# Altium PCB Cueing-PCB-Mk2.PcbDoc
Units mm, origin at the board's own origin, x right, y up, seen from the top; angles counter-clockwise.
Board outline 62.87 x 76.45 mm, 4 copper layers (Top Layer, Int1 (GND), Int2 (PWR), Bottom Layer), stack 1.586 mm thick; 109 components, 77 nets, 396 pads, 85 vias.
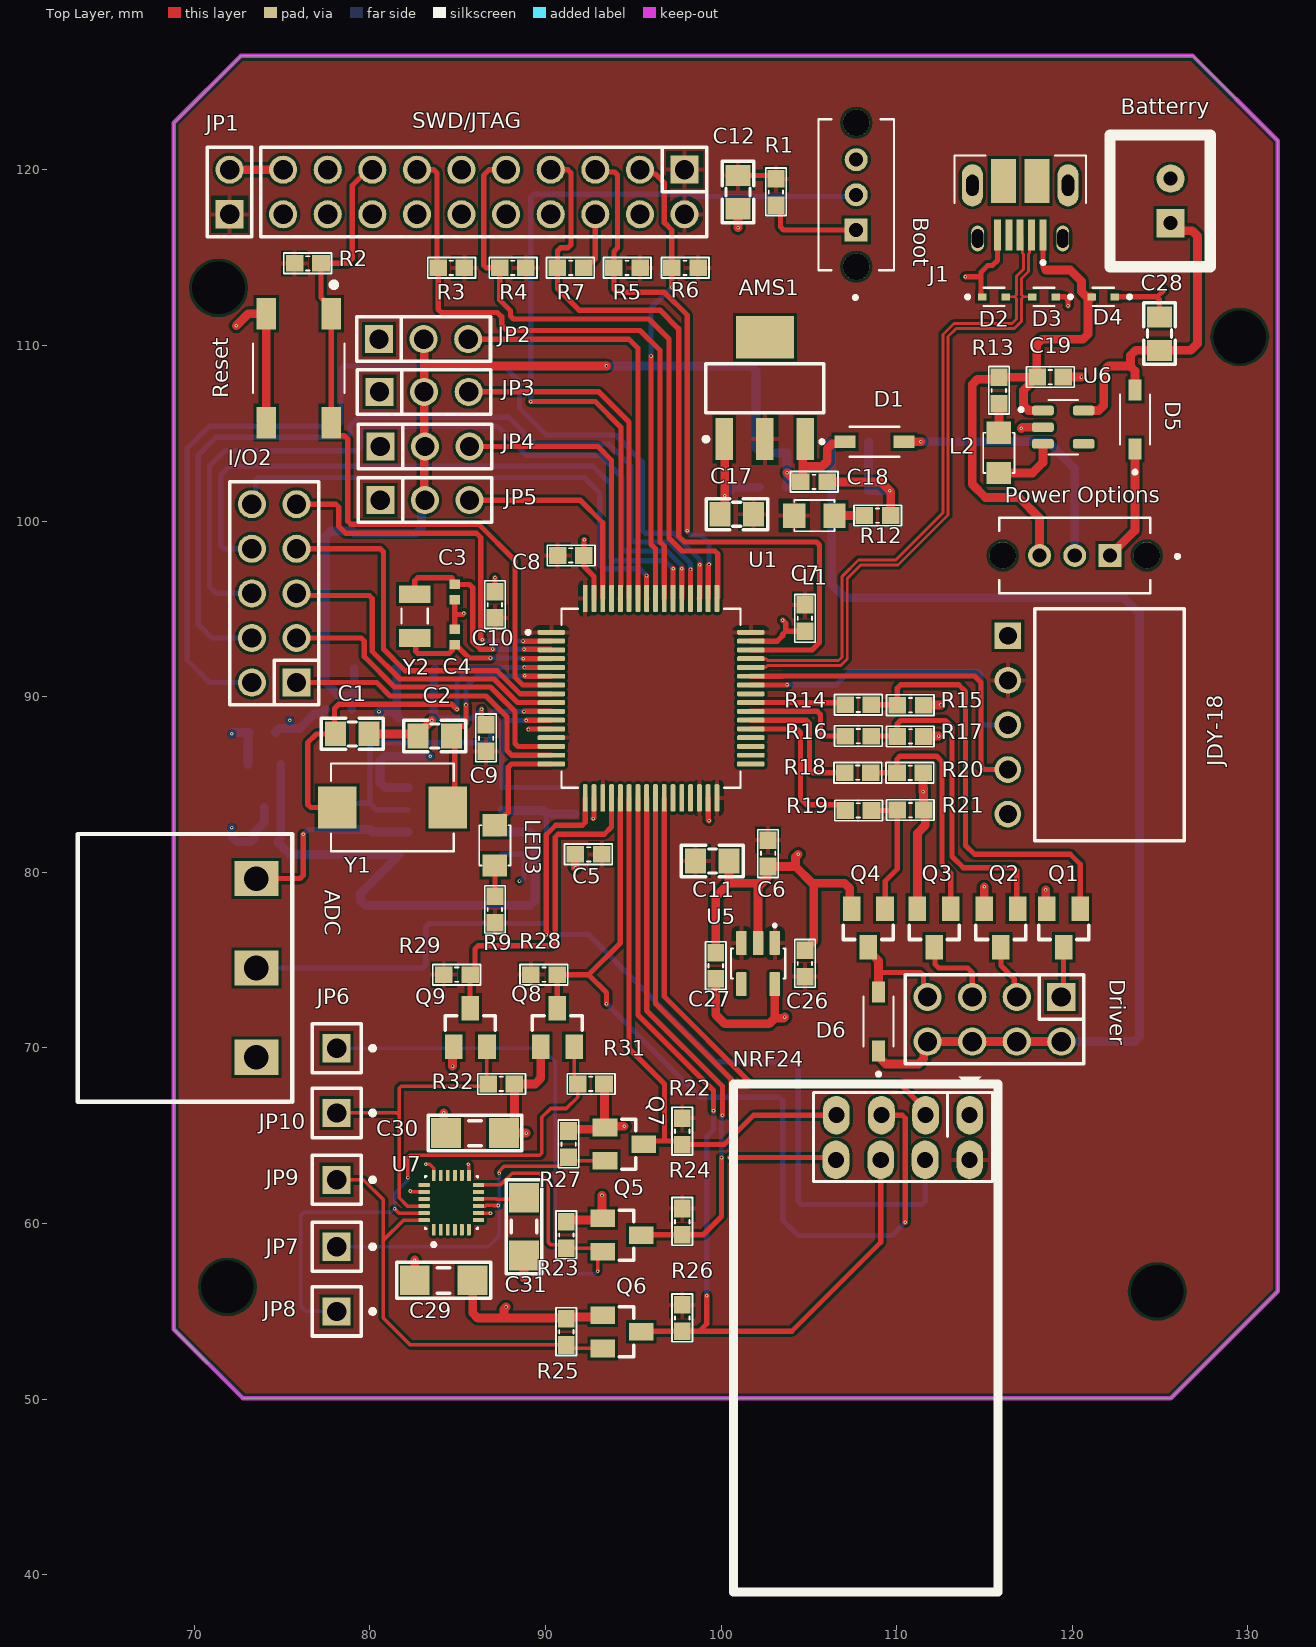
[diagram p0: Top Layer view]
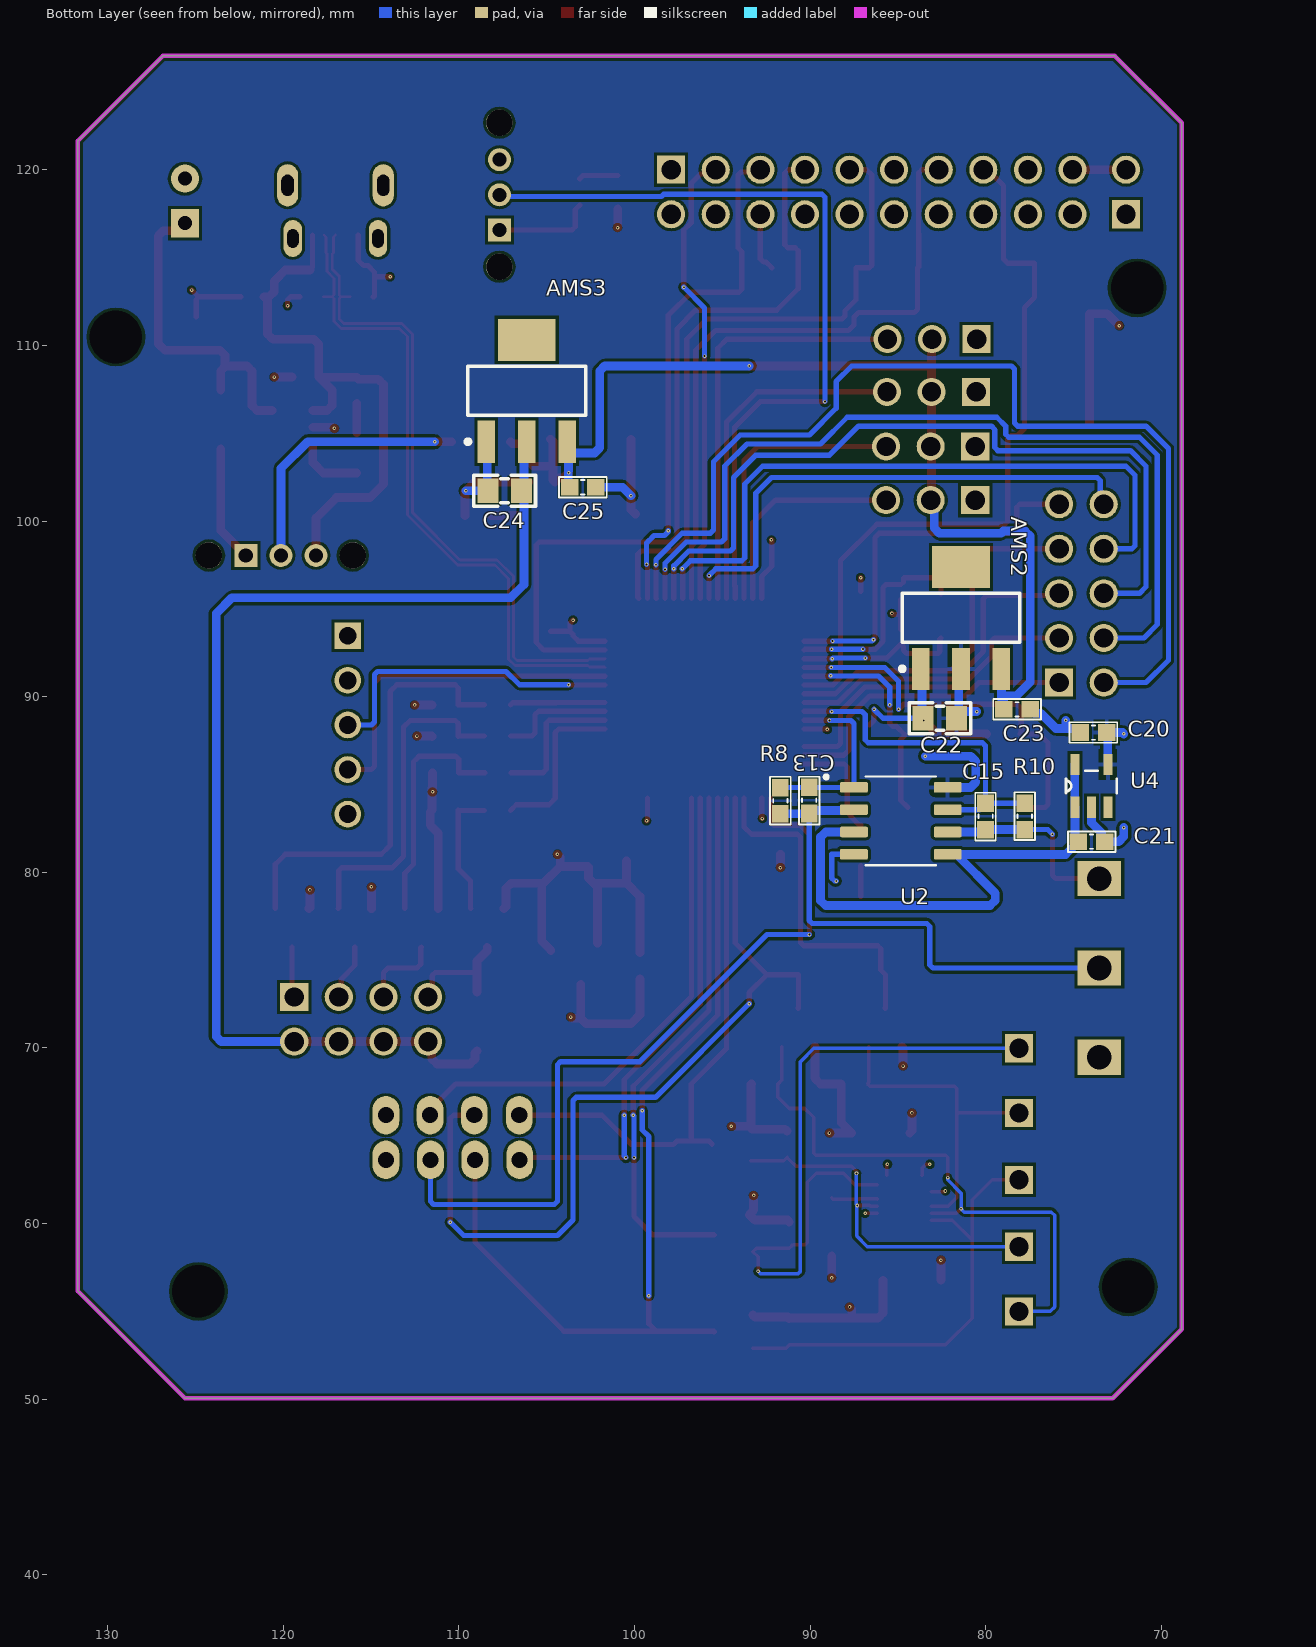
[diagram p1: Bottom Layer view, seen from below]
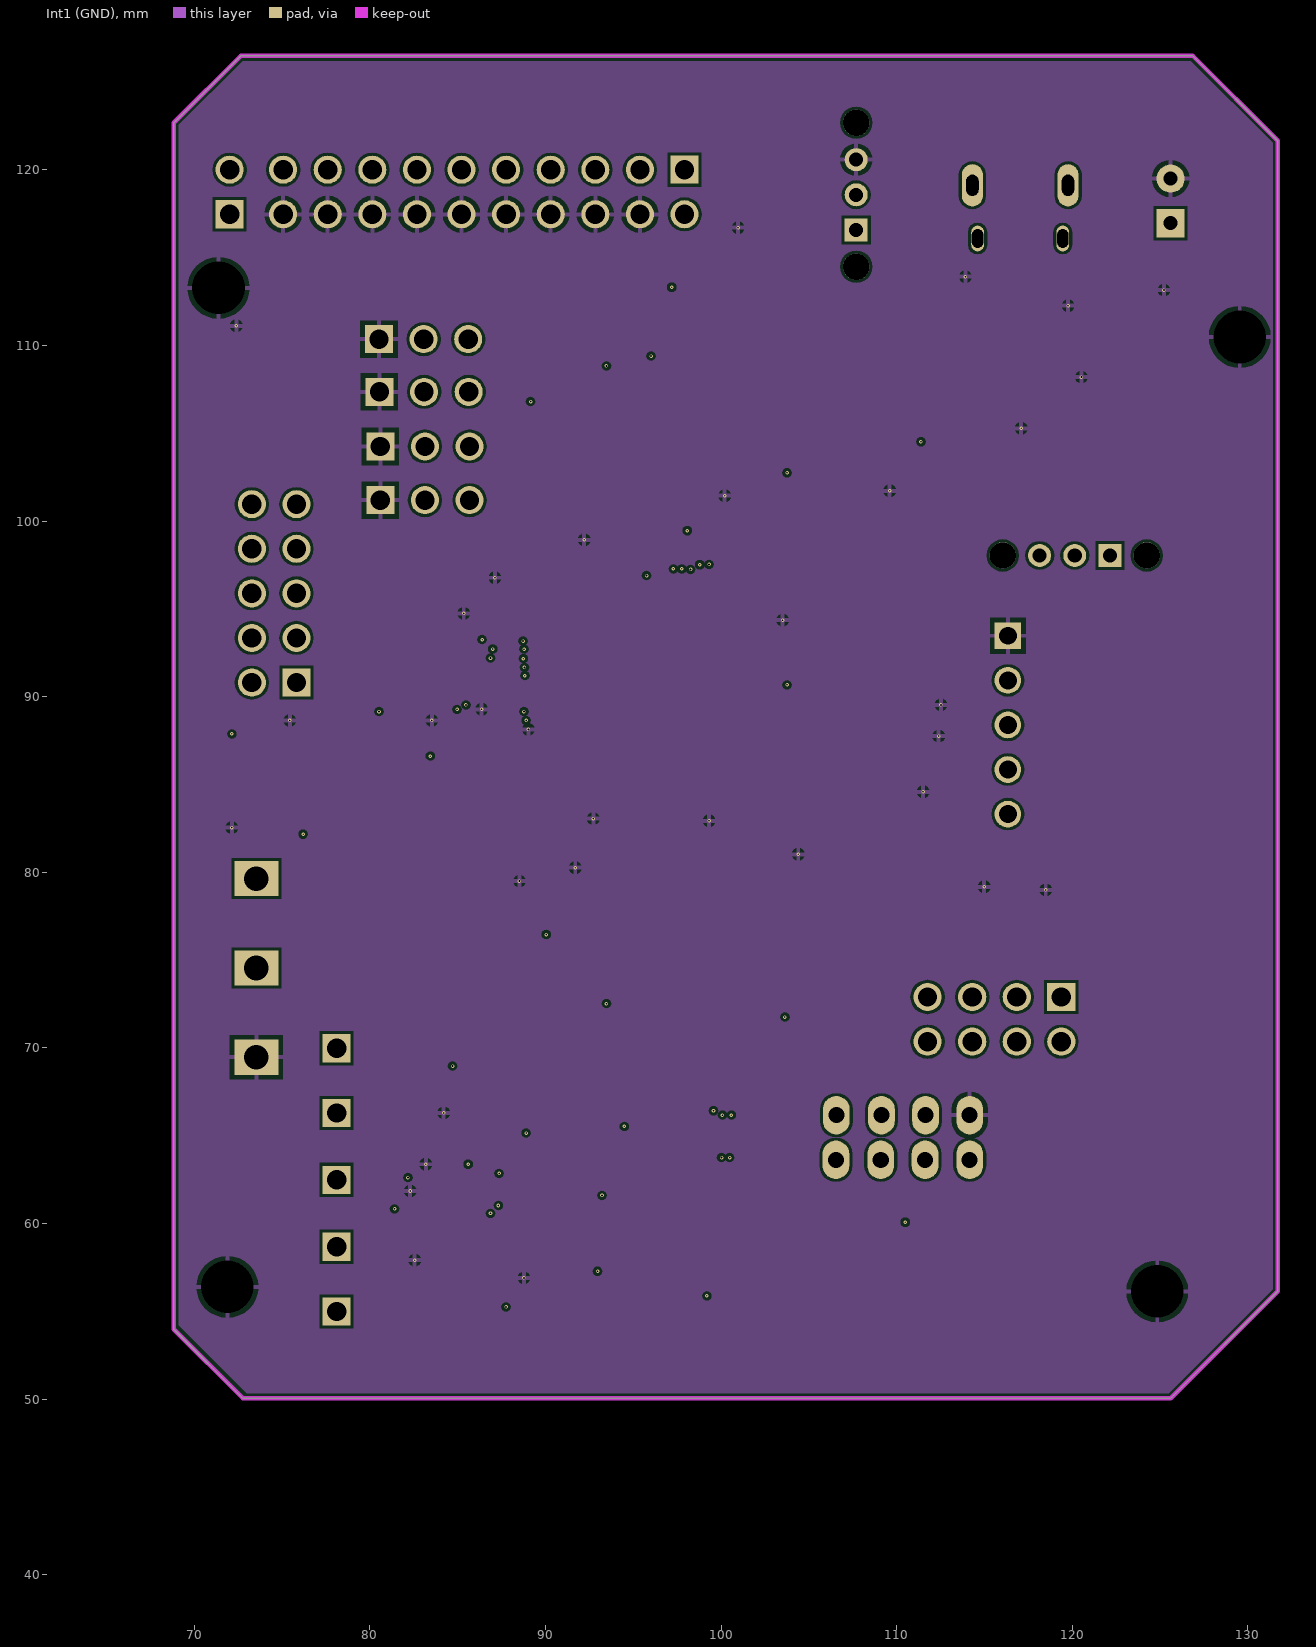
[diagram p2: Int1 (GND)]
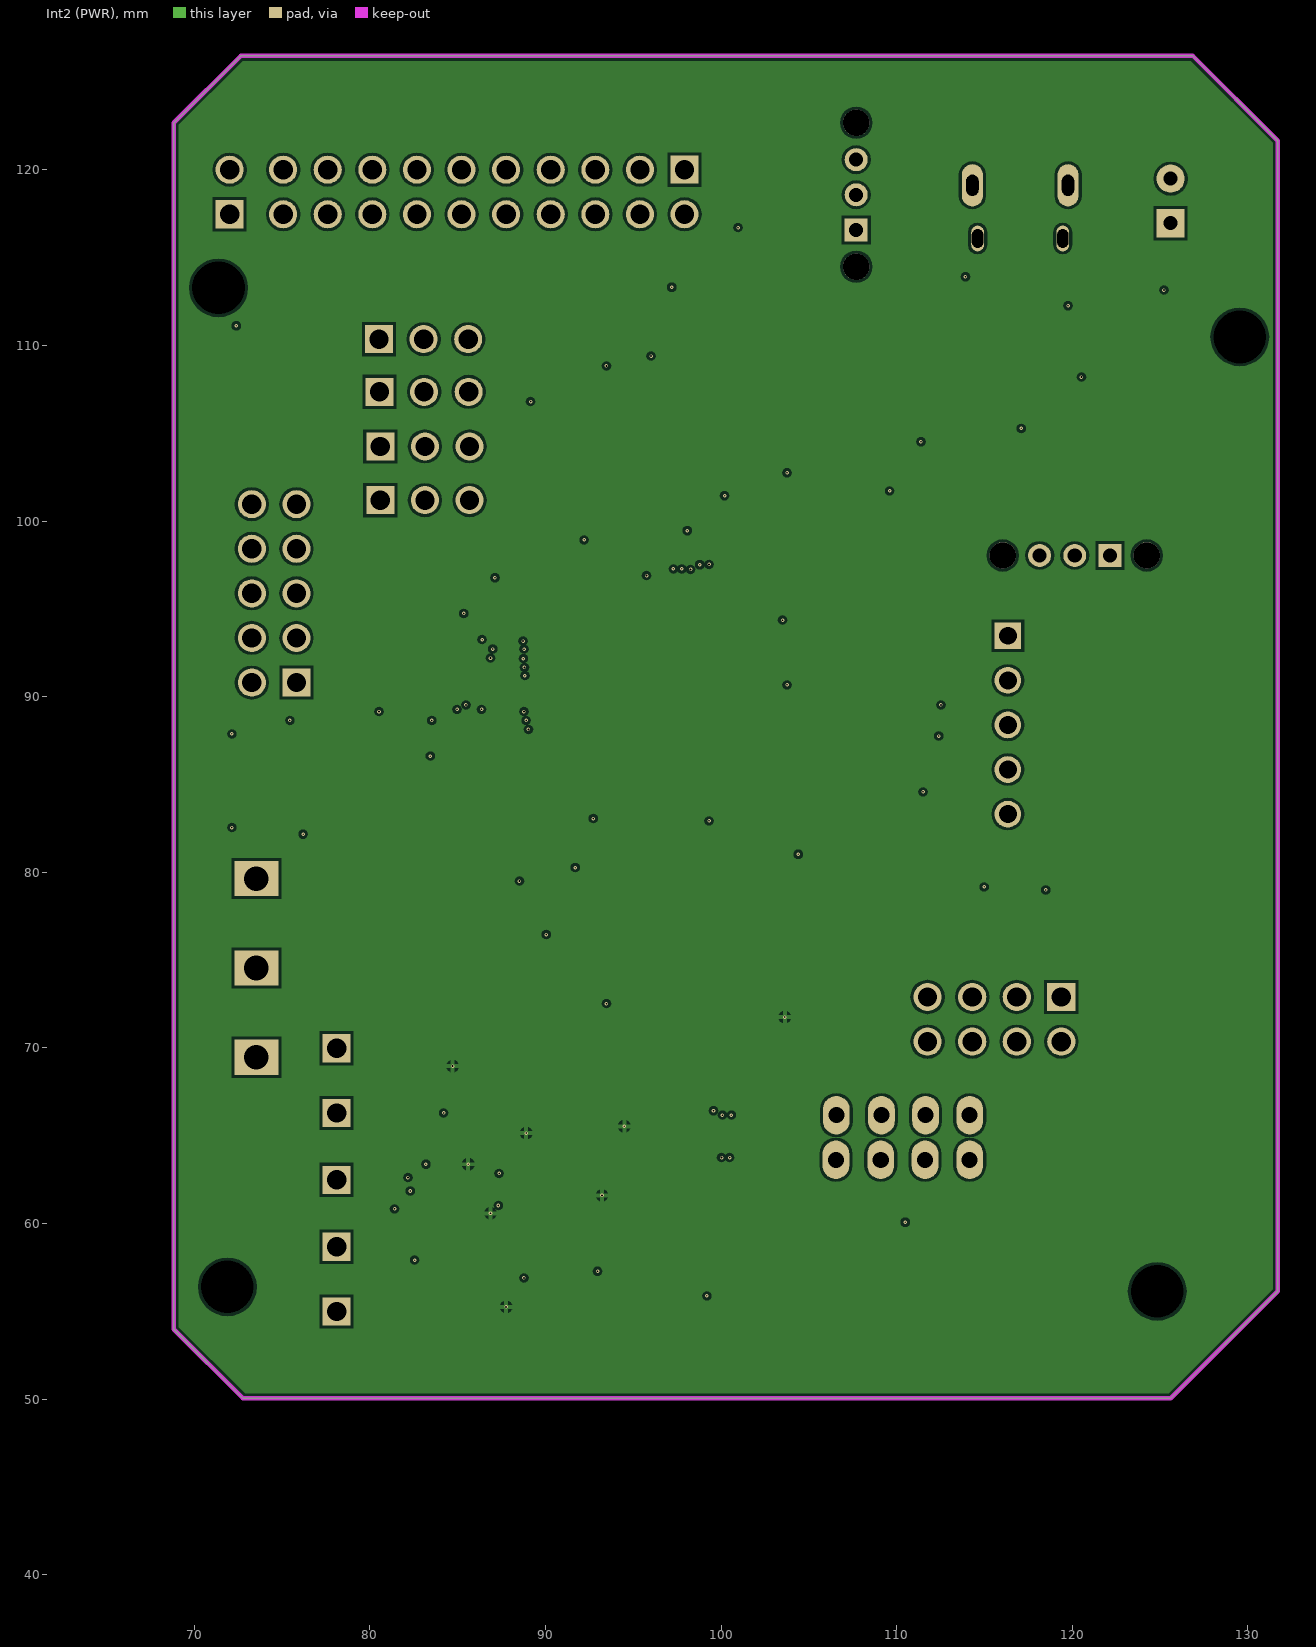
[diagram p3: Int2 (PWR)]

## Layer stack, top to bottom
Top Solder: solder mask 0.0254, SM-001, Dk 4
Top Layer: signal copper 0.035
Dielectric 1: prepreg 0.2104, PP-017, Dk 4.4
Int1 (GND): signal copper 0.0152
Dielectric 3: core 1.065, Core-039, Dk 4.6
Int2 (PWR): signal copper 0.0152
Dielectric 5: prepreg 0.2104, PP-017, Dk 4.4
Bottom Layer: signal copper 0.035
Bottom Solder: solder mask 0.0254, SM-001, Dk 4

## Board outline
68.834,53.975 68.834,122.682 72.644,126.492 126.873,126.492 131.699,121.666 131.699,56.134 125.603,50.038 72.771,50.038

## Design rules (kind name [scope] priority, off if disabled: settings)
Clearance [All] p1: gap=0.16 ignorepadtopadclearanceinfootprint=FALSE
DiffPairsRouting [All] p1: maxlimit=0.254 minlimit=0.127 mostfreqgap=0.254 toplayer_maxgap=0.127 toplayer_prefgap=0.127 toplayer_minwidth=0.165 toplayer_maxwidth=0.165 toplayer_prefwidth=0.165 bottomlayer_maxgap=0.127 bottomlayer_prefgap=0.127 bottomlayer_minwidth=0.165 bottomlayer_maxwidth=0.165 bottomlayer_prefwidth=0.165 impedanceprofiledriven=TRUE impedanceprofileid={08362868-FA3C-41AC-94A4-46596695BF42} impedanceprofilevalue=90.000000 maxuncoupledlength=12.7
HoleSize [All] p1: absolutevalues=TRUE maxlimit=6 minlimit=0.01 maxpercent=80.000 minpercent=20.000
PolygonConnect [All] p1: connectstyle=Relief reliefconductorwidth=0.254 reliefentries=4 polygonreliefangle="90 Angle" airgapwidth=0.254
RoomDefinition Peripherial [InComponentClass('Peripherial')] p1: confinementstyle=ConfineIn formatcopy=TRUE lockcomponents=FALSE outline 178.943,71.247 328.168,71.247 328.168,103.759 178.943,103.759
RoomDefinition STM32_MCU [InComponentClass('STM32_MCU')] p2: confinementstyle=ConfineIn formatcopy=TRUE lockcomponents=FALSE outline 178.943,124.841 387.858,124.841 387.858,153.289 178.943,153.289
RoomDefinition PWR_SRC [InComponentClass('PWR_SRC')] p3: confinementstyle=ConfineIn formatcopy=TRUE lockcomponents=FALSE outline 178.943,105.156 369.189,105.156 369.189,123.571 178.943,123.571
RoomDefinition Driver [InComponentClass('Driver')] p4: confinementstyle=ConfineIn formatcopy=TRUE lockcomponents=FALSE outline 178.943,56.769 255.778,56.769 255.778,69.977 178.943,69.977
RoomDefinition ADC [InComponentClass('ADC')] p5: confinementstyle=ConfineIn formatcopy=TRUE lockcomponents=FALSE outline 178.943,27.051 247.015,27.051 247.015,55.499 178.943,55.499
RoutingVias [All] p1: holewidth=0.1 width=0.2 viastyle="Through Hole" minholewidth=0.1 minwidth=0.2 maxholewidth=0.1 maxwidth=0.2
SilkToSolderMaskClearance [IsText] p1: minsilkscreentomaskgap=0.254 clearancetoexposedcopper=TRUE
SolderMaskExpansion [All] p1: expansion=0.102 istentingtop=FALSE
Width [All] p1: maxlimit=0.5 minlimit=0.2 preferedwidth=0.3 midlayer1_minwidth=0.254 midlayer1_maxwidth=0.254 midlayer1_prefwidth=0.254 midlayer2_minwidth=0.254 midlayer2_maxwidth=0.254 midlayer2_prefwidth=0.254 minimp=50.000000 maximp=50.000000 favimp=50.000000
27 further rules are at their usual default settings.

## Classes and differential pairs
differential pair class diff90: USB
component class STM32_MCU: Boot C1 C2 C3 C4 C5 C6 C7 C8 C9 C10 C11 C12 I/O2 JP1 JP2 JP3 JP4 JP5 LED3 R1 R2 R3 R4 R5 R6 R7 R9 Reset SWD/JTAG U1 Y1 Y2
component class PWR_SRC: AMS1 AMS2 AMS3 Batterry C17 C18 C19 C20 C21 C22 C23 C24 C25 C26 C27 C28 D1 D2 D3 D4 D5 J1 L1 L2 mcu "Power Options" R12 R13 U4 U5 U6
component class Peripherial: C29 C30 C31 JDY-18 JP6 JP7 JP8 JP9 JP10 NRF24 Q5 Q6 Q7 Q8 Q9 R22 R23 R24 R25 R26 R27 R28 R29 R31 R32 U7
component class Driver: D6 Driver Q1 Q2 Q3 Q4 R14 R15 R16 R17 R18 R19 R20 R21
component class ADC: ADC C13 C15 R8 R10 U2
differential pair USB: +USB_P -USB_N

## Components (designator, comment, footprint, x,y, rotation, side; value= is the part's Value field where it differs from the comment)
ADC "CON 3 EDG5.08" "CON 3 3EDG5.08" 73.533,69.469 r90 top
AMS1 "AMS1117-3.3V" SOT223 102.489,107.569 r0 top value="AMS1117-3.3V SOT223"
AMS2 "AMS1117-3.3V" SOT223 81.407,94.488 r180 bottom value="AMS1117-3.3V SOT223"
AMS3 "AMS1117-3.3V" SOT223 106.139,107.422 r180 bottom value="AMS1117-3.3V SOT223"
Batterry "Batterry" XH2.54M-2 125.603,116.967 r90 top
Boot "OS102011MS2QN1" SW_OS102011MS2QN1 107.696,118.586 r90 top
C1 "20pF" "tu 0805" 78.994,87.884 r0 top
C2 "20pF" "tu 0805" 83.693,87.757 r180 top
C3 "GRM1555C1H120JA01D" CAPC1005X55N 84.836,95.964 r90 top
C4 "GRM1555C1H120JA01D" CAPC1005X55N 84.836,93.404 r270 top
C5 "103" "tu 0603" 92.456,81.026 r180 top
C6 "103" "tu 0603" 102.675,81.082 r270 top
C7 "103" "tu 0603" 104.775,94.476 r270 top
C8 "103" "tu 0603" 91.44,98.044 r0 top
C9 "103" "tu 0603" 86.614,87.642 r90 top
C10 "103" "tu 0603" 87.122,95.238 r90 top
C11 "225" "tu 0805" 99.498,80.648 r0 top
C12 "225" "tu 0805" 100.965,118.745 r270 top
C13 "470pF" "tu 0603" 90.058,84.099 r270 bottom
C15 "470pF" "tu 0603" 80.01,83.185 r270 bottom
C17 "224" "tu 0805" 100.894,100.389 r180 top
C18 "106" "tu 0603" 105.295,102.235 r0 top
C19 "106" "tu 0603" 118.745,108.204 r0 top
C20 "105" "tu 0603" 73.858,87.96 r0 bottom
C21 "105" "tu 0603" 73.973,81.743 r180 bottom
C22 "224" "tu 0805" 82.607,88.77 r0 bottom
C23 "106" "tu 0603" 78.22,89.281 r180 bottom
C24 "224" "tu 0805" 107.394,101.727 r0 bottom
C25 "106" "tu 0603" 102.951,101.929 r180 bottom
C26 "105" "tu 0603" 104.775,74.803 r90 top
C27 "105" "tu 0603" 99.695,74.676 r90 top
C28 "10pF" "tu 0805" 124.965,110.674 r90 top
C29 "104" "tu 1206" 84.202,56.769 r180 top
C30 "104" "tu 1206" 85.979,65.151 r180 top
C31 "104" "tu 1206" 88.773,59.817 r270 top
D1 "1N5819HW-7-F" SOD3715X145N 108.741,104.521 r0 top
D2 "LESD5D5.0CT1G" TVS_LESD5D5.0CT1G 115.545,112.776 r0 top
D3 "LESD5D5.0CT1G" TVS_LESD5D5.0CT1G 118.389,112.776 r180 top
D4 "LESD5D5.0CT1G" TVS_LESD5D5.0CT1G 121.762,112.776 r180 top
D5 "1N5819HW-7-F" SOD3715X145N 123.571,105.791 r90 top
D6 "1N5819HW-7-F" SOD3715X145N 108.966,71.501 r90 top
Driver "JP 2x4 2.54" "JP 2x4 DT" 115.57,71.628 r180 top (schematic designator Driver1)
I/O2 "JP 2x5 2.54" "JP 2x5 DT" 74.549,95.885 r90 top
J1 "10103594-0001LF" AMPHENOL_10103594-0001LF 117.036,119.126 r180 top
JDY-18 "JP 1x5 2.54" "JP 1x5 CC" 116.332,88.392 r270 top
JP1 "JP 1x2 2.54" "JP 1x2 DT" 72.009,117.475 r90 top
JP2 "JP 1x3 2.54" "JP 1x3 DT" 80.518,110.363 r0 top
JP3 "JP 1x3 2.54" "JP 1x3 DT" 80.545,107.363 r0 top
JP4 "JP 1x3 2.54" "JP 1x3 DT" 80.594,104.25 r0 top
JP5 "JP 1x3 2.54" "JP 1x3 DT" 80.594,101.194 r0 top
JP6 "JP 1x1 2.54" "JP 1x1 DT" 78.105,69.977 r270 top
JP7 "JP 1x1 2.54" "JP 1x1 DT" 78.105,58.674 r270 top
JP8 "JP 1x1 2.54" "JP 1x1 DT" 78.105,54.991 r270 top
JP9 "JP 1x1 2.54" "JP 1x1 DT" 78.105,62.484 r270 top
JP10 "JP 1x1 2.54" "JP 1x1 DT" 78.105,66.294 r270 top
L1 "LED 0805" LED-0805-Green 104.171,100.318 r0 top
L2 "LED 0805" LED-0805-Red 115.824,105.029 r270 top
LED3 "LED 0805" LED-0805-Yellow 87.122,80.391 r90 top
NRF24 "NRF24L01 Module" NRF24L01 114.16,66.167 r180 top (schematic designator MD1)
"Power Options" "OS102011MS2QN1" SW_OS102011MS2QN1 120.142,98.044 r180 top
Q1 "SI2312" SOT23 119.507,76.835 r180 top
Q2 "SI2312" SOT23 115.936,76.835 r180 top
Q3 "SI2312" SOT23 112.133,76.835 r180 top
Q4 "SI2312" SOT23 108.386,76.835 r180 top
Q5 "SI2312" SOT23 94.359,59.339 r270 top
Q6 "SI2312" SOT23 94.359,53.83 r270 top
Q7 "SI2312" SOT23 94.488,64.516 r270 top
Q8 "SI2312" SOT23 90.678,71.163 r0 top
Q9 "SI2312" SOT23 85.717,71.163 r0 top
R1 "10k" "tro smd 0603" 103.124,118.745 r90 top
R2 "10k" "tro smd 0603" 76.466,114.681 r180 top
R3 "10k" "tro smd 0603" 84.635,114.427 r0 top
R4 "10k" "tro smd 0603" 88.138,114.427 r0 top
R5 "10k" "tro smd 0603" 94.645,114.427 r0 top
R6 "10k" "tro smd 0603" 97.946,114.427 r0 top
R7 "10k" "tro smd 0603" 91.429,114.427 r180 top
R8 "3.9k" "tro smd 0603" 91.694,84.074 r90 bottom
R9 "1k" "tro smd 0603" 87.122,77.882 r270 top
R10 "3.9k" "tro smd 0603" 77.776,83.185 r90 bottom
R12 "1k" "tro smd 0603" 108.912,100.318 r0 top
R13 "1k" "tro smd 0603" 115.824,107.442 r90 top
R14 "1k" "tro smd 0603" 107.811,89.535 r0 top
R15 "10k" "tro smd 0603" 110.787,89.521 r180 top
R16 "1k" "tro smd 0603" 107.811,87.757 r0 top
R17 "10k" "tro smd 0603" 110.787,87.736 r180 top
R18 "1k" "tro smd 0603" 107.782,85.674 r0 top
R19 "1k" "tro smd 0603" 107.815,83.52 r0 top
R20 "10k" "tro smd 0603" 110.769,85.666 r180 top
R21 "10k" "tro smd 0603" 110.786,83.545 r180 top
R22 "2.2k" "tro smd 0603" 97.788,65.244 r90 top
R23 "2.2k" "tro smd 0603" 91.184,59.341 r90 top
R24 "2.2k" "tro smd 0603" 97.788,60.103 r90 top
R25 "2.2k" "tro smd 0603" 91.184,53.83 r90 top
R26 "2.2k" "tro smd 0603" 97.788,54.612 r90 top
R27 "2.2k" "tro smd 0603" 91.313,64.516 r90 top
R28 "2.2k" "tro smd 0603" 89.916,74.168 r180 top
R29 "2.2k" "tro smd 0603" 84.955,74.168 r180 top
R31 "2.2k" "tro smd 0603" 92.583,67.945 r0 top
R32 "2.2k" "tro smd 0603" 87.483,67.945 r0 top
Reset "SKQGAFE010" SW_SKQGAFE010 75.946,108.712 r270 top
SWD/JTAG "JP 2x10 2.54" "JP 2x10 DT" 86.487,118.745 r180 top
U1 "STM32F446RET6" QFP50P1200X1200X160-64N 96.012,89.916 r0 top
U2 "OPA2335AID" SOIC127P599X175-8N 84.836,82.931 r180 bottom
U4 "LT6650IS5#TRPBF" SOT95P280X100-5N 73.985,84.918 r90 bottom
U5 "AP7331-18WG-7" SOT95P285X145-5N 102.108,74.803 r270 top
U6 "MAX1555EZK+T" SOT95P275X110-5N 119.49,105.349 r0 top
U7 "ICM-20948" QFN40P300X300X105-24N 84.636,61.193 r90 top
Y1 "ECS-80-20-20A-TR" XTAL_ECS-80-20-20A-TR 81.28,83.693 r0 top
Y2 "CM7V-T1A-32.768KHZ-12.5PF-100PPM-TB-QC" XTAL_CM7V-T1A-32.768KHZ-12.5PF-100PPM-TB-QC 82.55,94.595 r270 top

## Footprints (in the part's own frame and the unit in brackets; to place one, negate y for a bottom-side part, rotate by r counter-clockwise, add the part's x,y. Pads: shape width x height; smd on the part's side, far side on the other; paste and mask are expansions set on the pad)
AMPHENOL_10103594-0001LF [mm]
  rect 0.4x1.75 smd: 1(-1.3,2.825) 2(-0.65,2.825) 3(0,2.825) 4(0.65,2.825) 5(1.3,2.825)
  oval 0.73x1.46 hole 0.65 slot 1.05 at 90 deg mask+0: 6(-2.425,3.03) 7(2.425,3.03)
  oval 1.2x2.4 hole 0.7 slot 1.2 at 90 deg: 8(-2.725,0) 9(2.725,0)
  oval 1.05x2.1 smd far side paste-2: 10(-2.425,3.03) 11(2.425,3.03)
  rect 1.425x2.5 smd: S1(-0.962,-0.25) S2(0.962,-0.25)
  silkscreen extent -3.75,-1.7 3.75,4.5, body extent -4.02,-4.15 4.02,1.88, height 2.95
CAPC1005X55N [mm]
  rect 0.54x0.6 smd: 1(-0.432,0) 2(0.432,0)
  body extent -0.5,-0.25 0.5,0.25, height 0.55
"CON 3 3EDG5.08" [mm]
  rect 2x2.5 hole 1.4: 1(0,0) 2(5.08,0) 3(10.173,0)
  silkscreen extent -2.54,-2.03 12.71,10.16, body extent -2.5,-1.75 12.67,10.25, height 3.15
"JP 1x1 DT" [mm] "1pins, 1 row, straight, gold plating"
  rect 1.6x1.6 hole 1.1: 1(0,0)
  silkscreen extent -1.4,-1.4 1.4,2.18, body extent -1.27,-1.27 1.27,1.27, height 8.54
"JP 1x2 DT" [mm] "2 pins, 1 row, straight, gold plating"
  rect 1.6x1.6 hole 1.1: 1(0,0)
  round 1.6 hole 1.1: 2(2.54,0)
  silkscreen extent -1.27,-1.27 3.81,1.27, body extent -1.27,-1.27 3.81,1.27, height 8.54
"JP 1x3 DT" [mm]
  rect 1.6x1.6 hole 1.1: 1(0,0)
  round 1.6 hole 1.1: 2(2.54,0) 3(5.08,0)
  silkscreen extent -1.27,-1.27 6.35,1.27, body extent -1.27,-1.27 6.35,1.27, height 8.54
"JP 1x5 CC" [mm]
  rect 1.52x1.52 hole 1.02: 1(-5.08,0)
  round 1.52 hole 1.02: 2(-2.54,0) 3(0,0) 4(2.54,0) 5(5.08,0)
  silkscreen extent -6.6,1.52 6.6,10.05, body extent -6.6,-0.25 6.6,10.05, height 2.51
"JP 2x4 DT" [mm]
  rect 1.61x1.6 hole 1.1: 1(-3.81,-1.27)
  oval 1.61x1.6 hole 1.1: 2(-1.27,-1.27) 3(1.27,-1.27) 4(3.81,-1.27) 5(3.81,1.27) 6(1.27,1.27) 7(-1.27,1.27) 8(-3.81,1.27)
  silkscreen extent -5.08,-2.54 5.08,2.54, body extent -5.08,-2.54 5.08,2.54, height 8.55
"JP 2x5 DT" [mm] "10 pins, dual pin, straight, gold plating"
  rect 1.6x1.6 hole 1.1: 1(-5.08,-1.27)
  round 1.6 hole 1.1: 2(-2.54,-1.27) 3(0,-1.27) 4(2.54,-1.27) 5(5.08,-1.27) 6(5.08,1.27) 7(2.54,1.27) 8(0,1.27) 9(-2.54,1.27) 10(-5.08,1.27)
  silkscreen extent -6.35,-2.54 6.35,2.54, body extent -6.35,-2.54 6.35,2.54, height 8.55
"JP 2x10 DT" [mm] "20 pins, dual pin, straight, gold plating"
  rect 1.6x1.6 hole 1.1: 1(-11.43,-1.27)
  round 1.6 hole 1.1: 2(-8.89,-1.27) 3(-6.35,-1.27) 4(-3.81,-1.27) 5(-1.27,-1.27) 6(1.27,-1.27) 7(3.81,-1.27) 8(6.35,-1.27) 9(8.89,-1.27) 10(11.43,-1.27) 11(11.43,1.27) 12(8.89,1.27) 13(6.35,1.27) 14(3.81,1.27) 15(1.27,1.27) 16(-1.27,1.27) 17(-3.81,1.27) 18(-6.35,1.27) 19(-8.89,1.27) 20(-11.43,1.27)
  silkscreen extent -12.7,-2.54 12.7,2.54, body extent -12.7,-2.54 12.7,2.54, height 8.55
LED-0805-Green [mil]
  rect 50x55 smd: 1(0,0) 2(90,0)
  silkscreen extent 0,-35 90,35, body extent 5,-25 85,25, height 43
LED-0805-Red [mil]
  rect 50x55 smd: 1(0,0) 2(90,0)
  silkscreen extent 0,-35 90,35, body extent 5,-25 85,25, height 43
LED-0805-Yellow [mil]
  rect 50x55 smd: 1(0,0) 2(90,0)
  silkscreen extent 0,-35 90,35, body extent 5,-25 85,25, height 43
NRF24L01 [mil]
  oval 60x86 hole 36: 1(0,0) 2(0,100) 3(99,0) 4(100,100) 5(198,0) 6(199.5,100) 7(299,0) 8(300,100)
  silkscreen extent -63,-86 530,1069, body extent -73,-74 518,1068, height 588
QFN40P300X300X105-24N [mm]
  rrect25% 0.64x0.22 smd: 1(-1.545,1) 2(-1.545,0.6) 3(-1.545,0.2) 4(-1.545,-0.2) 5(-1.545,-0.6) 6(-1.545,-1) 13(1.545,-1) 14(1.545,-0.6) 15(1.545,-0.2) 16(1.545,0.2) 17(1.545,0.6) 18(1.545,1)
  rrect25% 0.22x0.64 smd: 7(-1,-1.545) 8(-0.6,-1.545) 9(-0.2,-1.545) 10(0.2,-1.545) 11(0.6,-1.545) 12(1,-1.545) 19(1,1.545) 20(0.6,1.545) 21(0.2,1.545) 22(-0.2,1.545) 23(-0.6,1.545) 24(-1,1.545)
  silkscreen extent -2.5,-1.5 1.5,1.5, body extent -1.5,-1.5 1.5,1.5, height 1
QFP50P1200X1200X160-64N [mm]
  rrect50% 1.56x0.28 smd: 1(-5.68,3.75) 2(-5.68,3.25) 3(-5.68,2.75) 4(-5.68,2.25) 5(-5.68,1.75) 6(-5.68,1.25) 7(-5.68,0.75) 8(-5.68,0.25) 9(-5.68,-0.25) 10(-5.68,-0.75) 11(-5.68,-1.25) 12(-5.68,-1.75) 13(-5.68,-2.25) 14(-5.68,-2.75) 15(-5.68,-3.25) 16(-5.68,-3.75) 33(5.68,-3.75) 34(5.68,-3.25) 35(5.68,-2.75) 36(5.68,-2.25) 37(5.68,-1.75) 38(5.68,-1.25) 39(5.68,-0.75) 40(5.68,-0.25) 41(5.68,0.25) 42(5.68,0.75) 43(5.68,1.25) 44(5.68,1.75) 45(5.68,2.25) 46(5.68,2.75) 47(5.68,3.25) 48(5.68,3.75)